# Altium PCB MiniSystem-Pcb-All.PcbDoc (part 5 of 8)
Units mil, origin at the board's own origin, x right, y up, seen from the top; angles counter-clockwise.
Board outline 1732.28 x 669.29 mil, 2 copper layers (Top Layer, Bottom Layer); 690 components, 49 nets, 1630 pads, 330 vias.
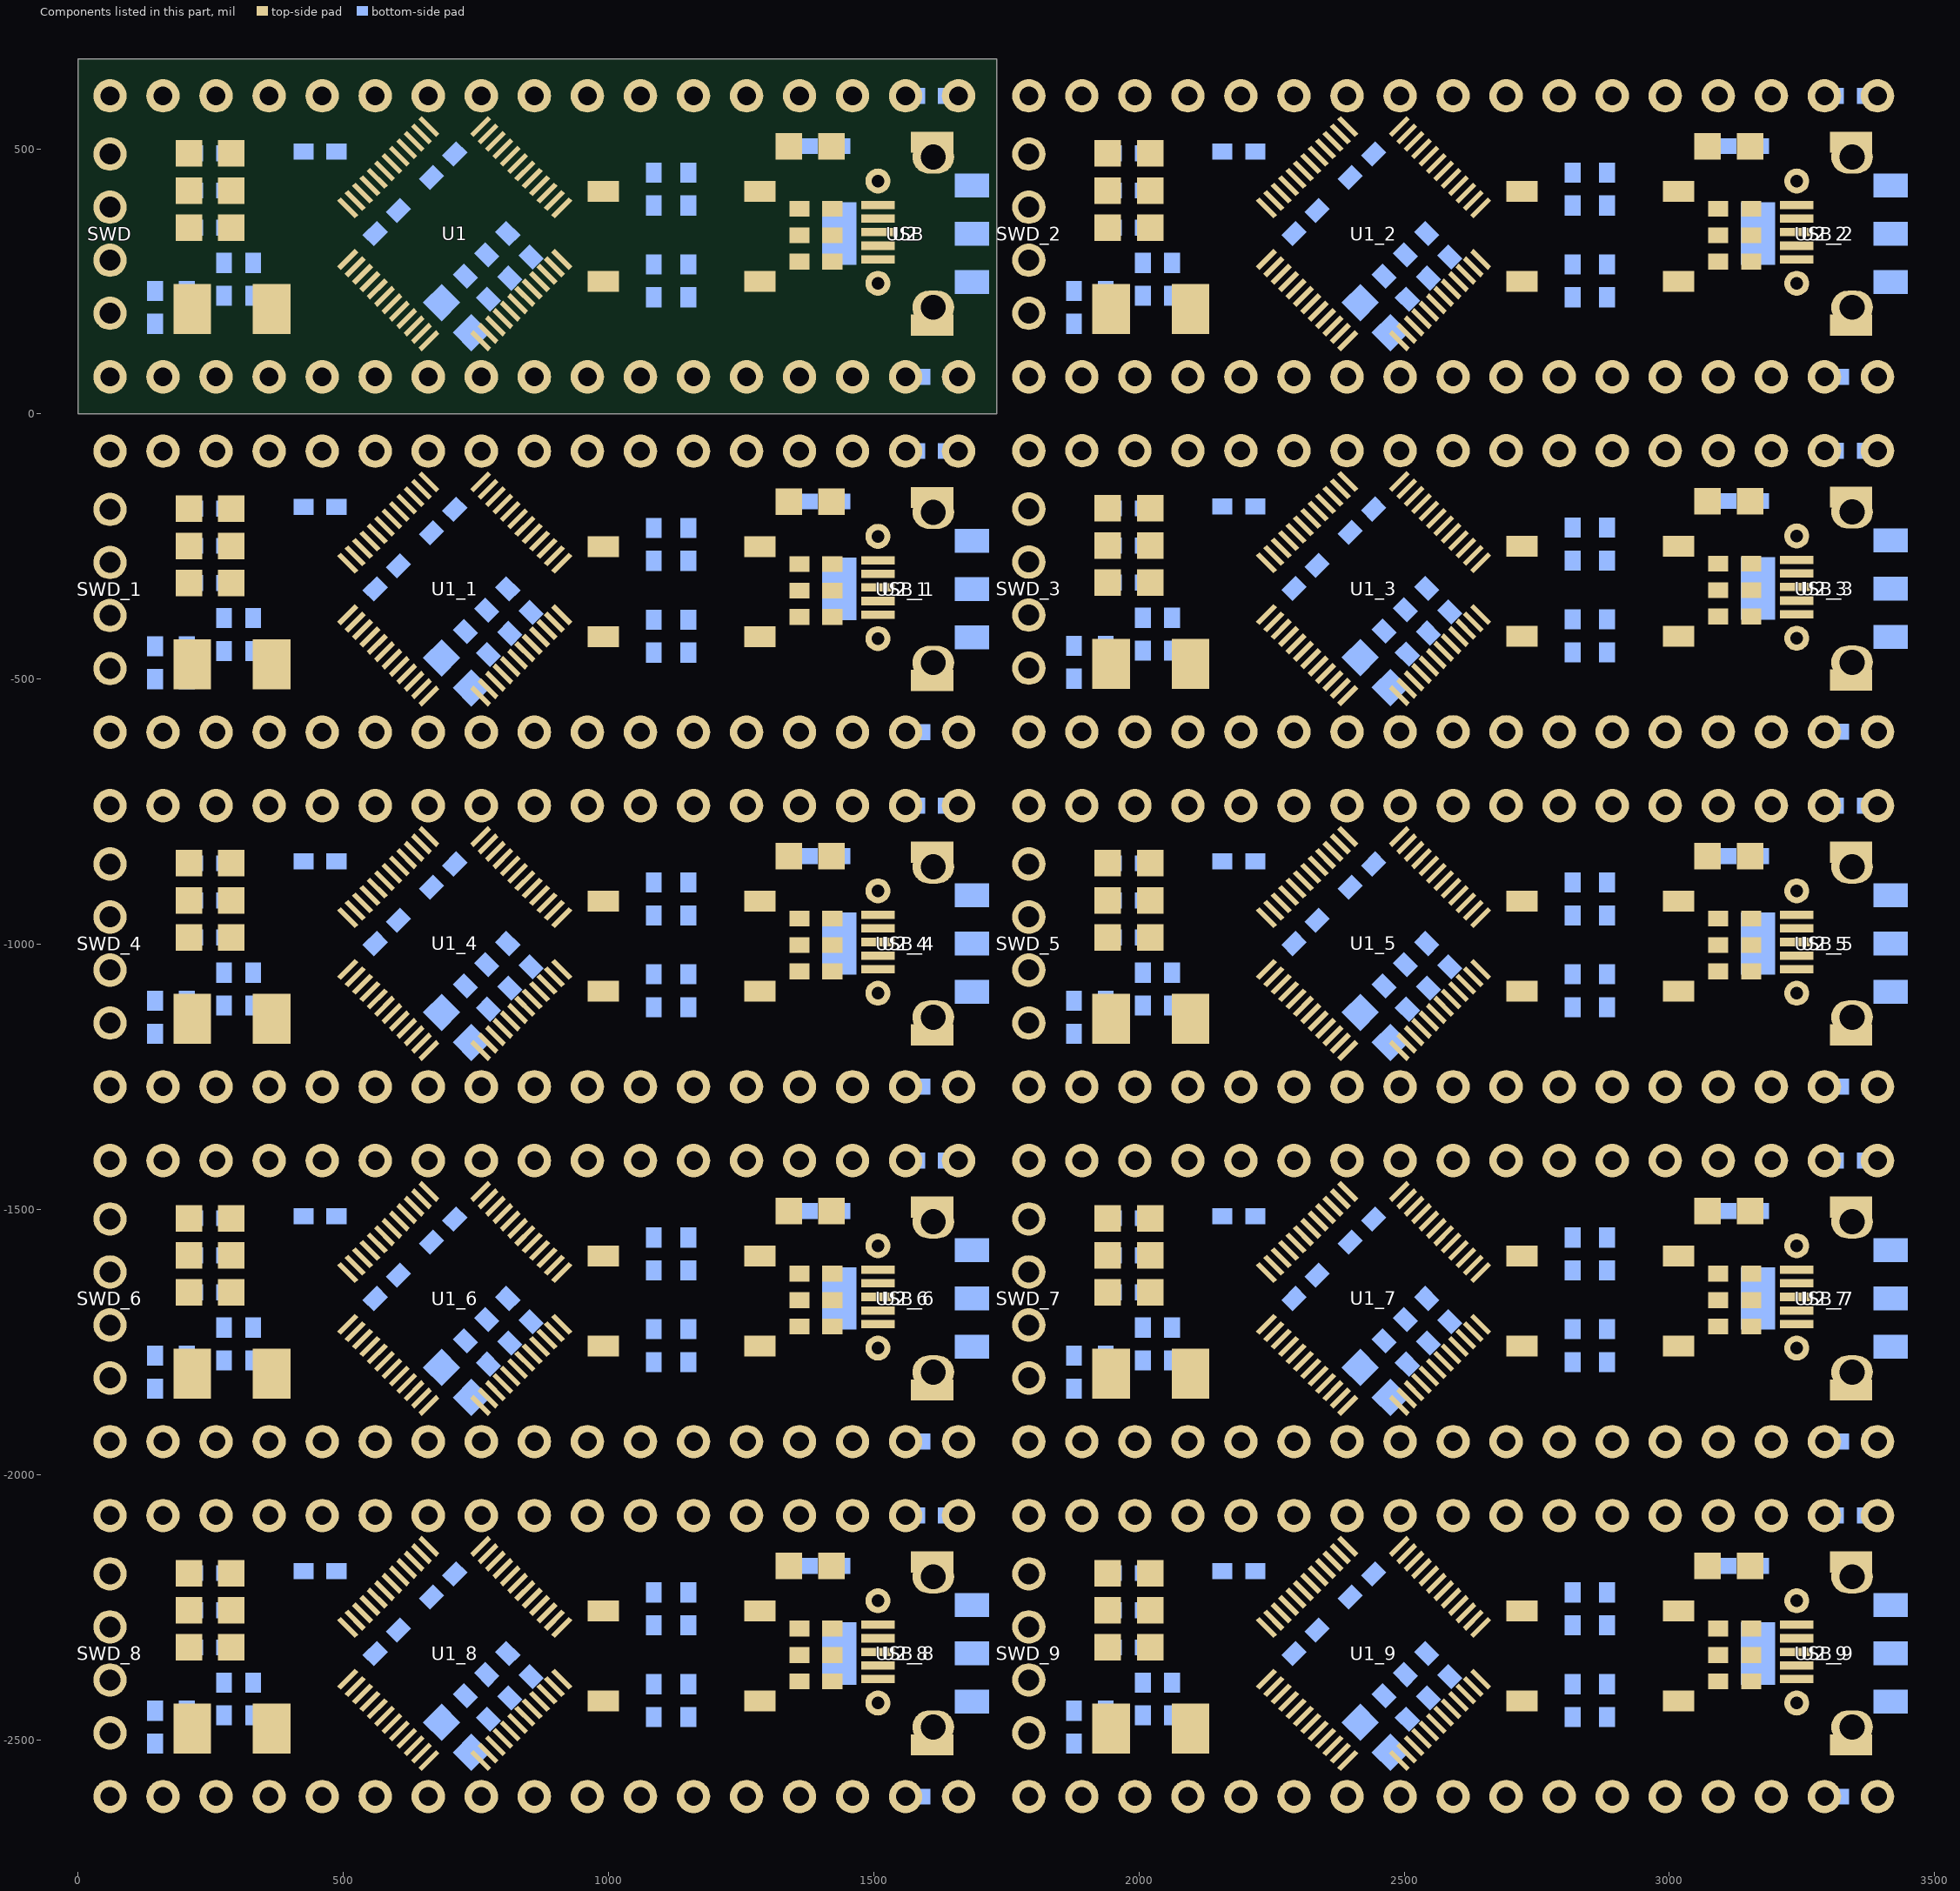
[diagram p5: the components of this part, seen from the top]

## Via types
v1: diameter 24, hole 12, Top Layer to Bottom Layer, 320 vias
v2: diameter 50, hole 30, Top Layer to Bottom Layer, 10 vias

## Nets (pads, with @x,y where several pads share a name; then routed paths per layer and width w, separated by ;. In a path a pad name is that pad's centre, name@x,y a point inside that pad or via, vN(x,y) a via of type N, cw(c..) or ccw(c..) an arc to the next point about the centre after c; other vN are vias at no path point) (continued)
copper on no net: (continued)
  Top Layer w10: 2282.21,-2246.69 2254.69,-2219.17 2118.28,-2219.17 2118.28,-2172.66 2102.28,-2156.66 2084.81,-2156.66 2069.06,-2140.91 2068.54,-2140.91 2058.49,-2130.87 1897.28,-2130.87 1892.28,-2125.87 ; 2282.21,-1577.4 2254.69,-1549.87 2118.28,-1549.87 2118.28,-1503.37 2102.28,-1487.37 2084.81,-1487.37 2069.06,-1471.62 2068.54,-1471.62 2058.49,-1461.57 1897.28,-1461.57 1892.28,-1456.57 ; 2282.21,-908.11 2254.69,-880.58 2118.28,-880.58 2118.28,-834.08 2102.28,-818.08 2084.81,-818.08 2069.06,-802.33 2068.54,-802.33 2058.49,-792.28 1897.28,-792.28 1892.28,-787.28 ; 2282.21,-238.81 2254.69,-211.29 2118.28,-211.29 2118.28,-164.79 2102.28,-148.79 2084.81,-148.79 2069.06,-133.04 2068.54,-133.04 2058.49,-122.99 1897.28,-122.99 1892.28,-117.99 ; 2282.21,430.48 2254.69,458 2118.28,458 2118.28,504.5 2102.28,520.5 2084.81,520.5 2069.06,536.25 2068.54,536.25 2058.49,546.3 1897.28,546.3 1892.28,551.3 ; v1@2285.28,-2337.17 cw(c2268.38,-2337.17) 2280.33,-2349.12 cw(c2292.28,-2361.06) v1@2292.28,-2344.17 ; v1@2285.28,-1667.87 cw(c2268.38,-1667.87) 2280.33,-1679.82 cw(c2292.28,-1691.77) v1@2292.28,-1674.87 ; v1@2285.28,-998.58 cw(c2268.38,-998.58) 2280.33,-1010.53 cw(c2292.28,-1022.48) v1@2292.28,-1005.58 ; v1@2285.28,-329.29 cw(c2268.38,-329.29) 2280.33,-341.24 cw(c2292.28,-353.19) v1@2292.28,-336.29 ; v1@2285.28,340 cw(c2268.38,340) 2280.33,328.05 cw(c2292.28,316.1) v1@2292.28,333 ; 2292.28,-2607.17 2325.4,-2607.17 2393.57,-2539 ; 2292.28,-2077.17 2292.28,-2117.57 ; 2292.28,-1937.87 2325.4,-1937.87 2393.57,-1869.71 ; 2292.28,-1407.87 2292.28,-1448.28 2351.81,-1507.8 ; 2292.28,-1268.58 2325.4,-1268.58 2393.57,-1200.41 ; 2292.28,-738.58 2292.28,-778.98 ; 2292.28,-599.29 2325.4,-599.29 2393.57,-531.12 ; 2292.28,-69.29 2292.28,-109.69 ; 2292.28,70 2325.4,70 2393.57,138.17 ; 2292.28,600 2292.28,559.6 ; v1@2297.23,-2342.12 cw(c2309.18,-2354.06) 2309.18,-2337.17 cw(c2309.18,-2320.27) v1@2297.23,-2332.22 ; v1@2297.23,-1672.82 cw(c2309.18,-1684.77) 2309.18,-1667.87 cw(c2309.18,-1650.97) v1@2297.23,-1662.92 ; v1@2297.23,-1003.53 cw(c2309.18,-1015.48) 2309.18,-998.58 cw(c2309.18,-981.68) v1@2297.23,-993.63 ; v1@2297.23,-334.24 cw(c2309.18,-346.19) 2309.18,-329.29 cw(c2309.18,-312.39) v1@2297.23,-324.34 ; v1@2297.23,335.05 cw(c2309.18,323.1) 2309.18,340 cw(c2309.18,356.9) v1@2297.23,344.95 ; v1@2302.33,-2527.22 ccw(c2290.38,-2515.27) 2307.28,-2515.27 ccw(c2324.18,-2515.27) v1@2312.23,-2527.22 ; v1@2302.33,-1857.92 ccw(c2290.38,-1845.97) 2307.28,-1845.97 ccw(c2324.18,-1845.97) v1@2312.23,-1857.92 ; v1@2302.33,-1188.63 ccw(c2290.38,-1176.68) 2307.28,-1176.68 ccw(c2324.18,-1176.68) v1@2312.23,-1188.63 ; v1@2302.33,-519.34 ccw(c2290.38,-507.39) 2307.28,-507.39 ccw(c2324.18,-507.39) v1@2312.23,-519.34 ; v1@2302.33,149.95 ccw(c2290.38,161.9) 2307.28,161.9 ccw(c2324.18,161.9) v1@2312.23,149.95 ; 2302.84,-2101.47 ccw(c2309.84,-2117.57) 2292.28,-2117.57 ; 2302.84,-762.88 ccw(c2309.84,-778.98) 2292.28,-778.98 ; 2302.84,-93.59 ccw(c2309.84,-109.69) 2292.28,-109.69 ; 2302.84,575.7 ccw(c2309.84,559.6) 2292.28,559.6 ; v1(2307.28,-2532.17) 2307.28,-2513.92 2337.89,-2483.32 ; v1(2307.28,-1862.87) 2307.28,-1844.63 2337.89,-1814.03 ; v1(2307.28,-1193.58) 2307.28,-1175.34 2337.89,-1144.74 ; v1(2307.28,-524.29) 2307.28,-506.05 2337.89,-475.45 ; v1(2307.28,145) 2307.28,163.24 2337.89,193.85 ; 2310.05,-2218.85 2229.86,-2138.66 2137.28,-2138.66 ; 2310.05,-1549.56 2229.86,-1469.37 2137.28,-1469.37 ; 2310.05,-880.27 2229.86,-800.08 2137.28,-800.08 ; 2310.05,-210.98 2229.86,-130.79 2137.28,-130.79 ; 2310.05,458.32 2229.86,538.5 2137.28,538.5 ; 2323.97,-2204.93 2239.7,-2120.66 2135.78,-2120.66 ; 2323.97,-1535.64 2239.7,-1451.37 2135.78,-1451.37 ; 2323.97,-866.35 2239.7,-782.08 2135.78,-782.08 ; 2323.97,-197.06 2239.7,-112.79 2135.78,-112.79 ; 2323.97,472.24 2239.7,556.5 2135.78,556.5 ; 2344.3,-2090.15 cw(c2371.78,-2117.64) 2389.35,-2082.96 ; 2344.3,-1420.86 cw(c2371.78,-1448.34) 2389.35,-1413.67 ; 2344.3,-751.57 cw(c2371.78,-779.05) 2389.35,-744.38 ; 2344.3,-82.28 cw(c2371.78,-109.76) 2389.35,-75.09 ; 2344.3,587.02 cw(c2371.78,559.53) 2389.35,594.21 ; 2351.81,-2497.24 2391.88,-2457.17 2402.28,-2457.17 ; 2351.81,-2177.09 2292.28,-2117.57 ; 2351.81,-1827.95 2391.88,-1787.87 2402.28,-1787.87 ; 2351.81,-1158.66 2391.88,-1118.58 2402.28,-1118.58 ; 2351.81,-838.51 2292.28,-778.98 ; 2351.81,-489.36 2391.88,-449.29 2402.28,-449.29 ; 2351.81,-169.22 2292.28,-109.69 ; 2351.81,179.93 2391.88,220 2402.28,220 ; 2351.81,500.07 2292.28,559.6 ; 2354.06,-2080.39 cw(c2378.34,-2104.68) 2393.87,-2074.04 ; 2354.06,-1411.1 cw(c2378.34,-1435.39) 2393.87,-1404.75 ; 2354.06,-741.81 cw(c2378.34,-766.1) 2393.87,-735.46 ; 2354.06,-72.52 cw(c2378.34,-96.81) 2393.87,-66.17 ; 2354.06,596.77 cw(c2378.34,572.48) 2393.87,603.13 ; v1@2358.64,-2263.81 cw(c2341.74,-2263.81) 2353.69,-2275.76 cw(c2365.64,-2287.71) v1@2365.64,-2270.81 ; v1@2358.64,-1594.52 cw(c2341.74,-1594.52) 2353.69,-1606.47 cw(c2365.64,-1618.42) v1@2365.64,-1601.52 ; v1@2358.64,-925.23 cw(c2341.74,-925.23) 2353.69,-937.18 cw(c2365.64,-949.13) v1@2365.64,-932.23 ; v1@2358.64,-255.94 cw(c2341.74,-255.94) 2353.69,-267.89 cw(c2365.64,-279.84) v1@2365.64,-262.94 ; v1@2358.64,413.36 cw(c2341.74,413.36) 2353.69,401.41 cw(c2365.64,389.46) v1@2365.64,406.36 ; 2365.73,-2511.16 2389.72,-2487.17 2398.34,-2487.17 2413.34,-2502.17 2427.28,-2502.17 2524.83,-2404.62 ; 2365.73,-2163.17 2342.28,-2139.73 2342.28,-2092.17 2357.28,-2077.17 2392.28,-2077.17 ; 2365.73,-1841.87 2389.72,-1817.87 2398.34,-1817.87 2413.34,-1832.87 2427.28,-1832.87 2524.83,-1735.33 ; 2365.73,-1493.88 2342.28,-1470.44 2342.28,-1422.87 2357.28,-1407.87 2392.28,-1407.87 ; 2365.73,-1172.58 2389.72,-1148.58 2398.34,-1148.58 2413.34,-1163.58 2427.28,-1163.58 2524.83,-1066.04 ; 2365.73,-824.59 2342.28,-801.15 2342.28,-753.58 2357.28,-738.58 2392.28,-738.58 ; 2365.73,-503.28 2389.72,-479.29 2398.34,-479.29 2413.34,-494.29 2427.28,-494.29 2524.83,-396.75 ; 2365.73,-155.3 2342.28,-131.85 2342.28,-84.29 2357.28,-69.29 2392.28,-69.29 ; 2365.73,166.01 2389.72,190 2398.34,190 2413.34,175 2427.28,175 2524.83,272.54 ; 2365.73,513.99 2342.28,537.44 2342.28,585 2357.28,600 2392.28,600 ; 2379.65,-2149.25 2407.56,-2177.17 2412.28,-2177.17 2492.28,-2097.17 2492.28,-2077.17 ; 2379.65,-1479.96 2407.56,-1507.87 2412.28,-1507.87 2492.28,-1427.87 2492.28,-1407.87 ; 2379.65,-810.67 2407.56,-838.58 2412.28,-838.58 2492.28,-758.58 2492.28,-738.58 ; 2379.65,-141.38 2407.56,-169.29 2412.28,-169.29 2492.28,-89.29 2492.28,-69.29 ; 2379.65,527.91 2407.56,500 2412.28,500 2492.28,580 2492.28,600 ; 2381.43,-2466.32 2272.28,-2357.17 ; 2381.43,-1797.02 2272.28,-1687.87 ; 2381.43,-1127.73 2272.28,-1018.58 ; 2381.43,-458.44 2272.28,-349.29 ; 2381.43,210.85 2272.28,320 ; 2392.28,-2607.17 2392.28,-2604.05 2474.17,-2522.17 2491,-2539 ; 2392.28,-1937.87 2392.28,-1934.76 2474.17,-1852.87 2491,-1869.71 ; 2392.28,-1268.58 2392.28,-1265.47 2474.17,-1183.58 2491,-1200.41 ; 2392.28,-599.29 2392.28,-596.18 2474.17,-514.29 2491,-531.12 ; 2392.28,70 2392.28,73.11 2474.17,155 2491,138.17 ; 2406.65,-2148.7 cw(c2420.9,-2148.7) 2410.82,-2138.62 ; 2406.65,-1479.4 cw(c2420.9,-1479.4) 2410.82,-1469.33 ; 2406.65,-810.11 cw(c2420.9,-810.11) 2410.82,-800.04 ; 2406.65,-140.82 cw(c2420.9,-140.82) 2410.82,-130.75 ; 2406.65,528.47 cw(c2420.9,528.47) 2410.82,538.54 ; 2406.7,-2148.85 cw(c2410.97,-2145.86) 2407.28,-2142.17 v1(2432.28,-2117.17) ; 2406.7,-1479.56 cw(c2410.97,-1476.56) 2407.28,-1472.87 v1(2432.28,-1447.87) ; 2406.7,-810.27 cw(c2410.97,-807.27) 2407.28,-803.58 v1(2432.28,-778.58) ; 2406.7,-140.98 cw(c2410.97,-137.98) 2407.28,-134.29 v1(2432.28,-109.29) ; 2406.7,528.31 cw(c2410.97,531.31) 2407.28,535 v1(2432.28,560) ; v1@2425.28,-2117.17 cw(c2408.38,-2117.17) 2420.33,-2129.12 cw(c2432.28,-2141.06) v1@2432.28,-2124.17 ; v1@2425.28,-1447.87 cw(c2408.38,-1447.87) 2420.33,-1459.82 cw(c2432.28,-1471.77) v1@2432.28,-1454.87 ; v1@2425.28,-778.58 cw(c2408.38,-778.58) 2420.33,-790.53 cw(c2432.28,-802.48) v1@2432.28,-785.58 ; v1@2425.28,-109.29 cw(c2408.38,-109.29) 2420.33,-121.24 cw(c2432.28,-133.19) v1@2432.28,-116.29 ; v1@2425.28,560 cw(c2408.38,560) 2420.33,548.05 cw(c2432.28,536.1) v1@2432.28,553 ; v1(2437.28,-2267.17) 2482.28,-2222.17 2482.28,-2171.89 2504.92,-2149.25 ; v1@2437.28,-2260.17 ccw(c2437.28,-2243.27) 2449.23,-2255.22 ccw(c2461.18,-2267.17) v1@2444.28,-2267.17 ; v1(2437.28,-1597.87) 2482.28,-1552.87 2482.28,-1502.6 2504.92,-1479.96 ; v1@2437.28,-1590.87 ccw(c2437.28,-1573.97) 2449.23,-1585.92 ccw(c2461.18,-1597.87) v1@2444.28,-1597.87 ; v1(2437.28,-928.58) 2482.28,-883.58 2482.28,-833.31 2504.92,-810.67 ; v1@2437.28,-921.58 ccw(c2437.28,-904.68) 2449.23,-916.63 ccw(c2461.18,-928.58) v1@2444.28,-928.58 ; v1(2437.28,-259.29) 2482.28,-214.29 2482.28,-164.02 2504.92,-141.38 ; v1@2437.28,-252.29 ccw(c2437.28,-235.39) 2449.23,-247.34 ccw(c2461.18,-259.29) v1@2444.28,-259.29 ; v1(2437.28,410) 2482.28,455 2482.28,505.27 2504.92,527.91 ; v1@2437.28,417 ccw(c2437.28,433.9) 2449.23,421.95 ccw(c2461.18,410) v1@2444.28,410 ; v1@2442.28,-2177.05 ccw(c2442.28,-2160.15) 2454.23,-2172.1 ccw(c2466.18,-2184.05) 2449.28,-2184.05 ccw(c2473.7,-2184.05) 2456.43,-2201.32 ; v1@2442.28,-1507.76 ccw(c2442.28,-1490.86) 2454.23,-1502.81 ccw(c2466.18,-1514.76) 2449.28,-1514.76 ccw(c2473.7,-1514.76) 2456.43,-1532.03 ; v1@2442.28,-838.47 ccw(c2442.28,-821.57) 2454.23,-833.52 ccw(c2466.18,-845.47) 2449.28,-845.47 ccw(c2473.7,-845.47) 2456.43,-862.73 ; v1@2442.28,-169.18 ccw(c2442.28,-152.28) 2454.23,-164.23 ccw(c2466.18,-176.18) 2449.28,-176.18 ccw(c2473.7,-176.18) 2456.43,-193.44 ; v1@2442.28,500.11 ccw(c2442.28,517.01) 2454.23,505.06 ccw(c2466.18,493.11) 2449.28,493.11 ccw(c2473.7,493.11) 2456.43,475.85 ; 2466.26,-2530.07 cw(c2477.64,-2541.45) 2477.64,-2525.36 ; 2466.26,-1860.78 cw(c2477.64,-1872.15) 2477.64,-1856.07 ; 2466.26,-1191.49 cw(c2477.64,-1202.86) 2477.64,-1186.78 ; 2466.26,-522.2 cw(c2477.64,-533.57) 2477.64,-517.49 ; 2466.26,147.09 cw(c2477.64,135.72) 2477.64,151.81 ; 2491,-2135.33 v1(2442.28,-2184.05) 2442.28,-2187.17 2462.28,-2207.17 2332.28,-2337.17 v1(2292.28,-2337.17) 2272.28,-2357.17 ; 2491,-1466.04 v1(2442.28,-1514.76) 2442.28,-1517.87 2462.28,-1537.87 2332.28,-1667.87 v1(2292.28,-1667.87) 2272.28,-1687.87 ; 2491,-796.75 v1(2442.28,-845.47) 2442.28,-848.58 2462.28,-868.58 2332.28,-998.58 v1(2292.28,-998.58) 2272.28,-1018.58 ; 2491,-127.46 v1(2442.28,-176.18) 2442.28,-179.29 2462.28,-199.29 2332.28,-329.29 v1(2292.28,-329.29) 2272.28,-349.29 ; 2491,541.83 v1(2442.28,493.11) 2442.28,490 2462.28,470 2332.28,340 v1(2292.28,340) 2272.28,320 ; 2492.28,-2607.17 2507.28,-2607.17 2537.28,-2577.17 ; 2492.28,-1937.87 2507.28,-1937.87 2537.28,-1907.87 2537.28,-1888.15 2504.92,-1855.79 ; 2492.28,-1268.58 2507.28,-1268.58 2537.28,-1238.58 ; 2492.28,-599.29 2507.28,-599.29 2537.28,-569.29 ; 2492.28,70 2507.28,70 2537.28,100 ; 2499.24,-2592.21 ccw(c2509.68,-2569.78) 2527.18,-2587.27 ; 2499.24,-1922.92 ccw(c2509.68,-1900.49) 2527.18,-1917.98 ; 2499.24,-1253.63 ccw(c2509.68,-1231.2) 2527.18,-1248.69 ; 2499.24,-584.34 ccw(c2509.68,-561.91) 2527.18,-579.4 ; 2499.24,84.96 ccw(c2509.68,107.39) 2527.18,89.89 ; 2503.46,-2583.14 ccw(c2516.1,-2555.99) 2537.28,-2577.17 ; 2503.46,-1913.85 ccw(c2516.1,-1886.69) 2537.28,-1907.88 ; 2503.46,-1244.56 ccw(c2516.1,-1217.4) 2537.28,-1238.58 ; 2503.46,-575.27 ccw(c2516.1,-548.11) 2537.28,-569.29 ; 2503.46,94.02 ccw(c2516.1,121.18) 2537.28,100 ; 2504.92,-2525.08 2537.28,-2557.44 2537.28,-2577.17 ; 2504.92,-1186.5 2537.28,-1218.86 2537.28,-1238.58 ; 2504.92,-517.2 2537.28,-549.57 2537.28,-569.29 ; 2504.92,152.09 2537.28,119.72 2537.28,100 ; 2518.78,-2607.17 cw(c2546.53,-2607.17) 2526.91,-2587.54 ; 2518.78,-1937.87 cw(c2546.53,-1937.87) 2526.91,-1918.25 ; 2518.78,-1268.58 cw(c2546.53,-1268.58) 2526.91,-1248.96 ; 2518.78,-599.29 cw(c2546.53,-599.29) 2526.91,-579.67 ; 2518.78,70 cw(c2546.53,70) 2526.91,89.62 ; 2518.84,-2511.16 2592.28,-2584.6 2592.28,-2607.17 ; 2518.84,-1841.87 2592.28,-1915.31 2592.28,-1937.87 ; 2518.84,-1172.58 2592.28,-1246.02 2592.28,-1268.58 ; 2518.84,-503.28 2592.28,-576.73 2592.28,-599.29 ; 2518.84,166.01 2592.28,92.56 2592.28,70 ; 2524.83,-2403.41 2489.28,-2367.86 2489.28,-2330.77 v1@2532.28,-2287.77 ; 2524.83,-1734.12 2489.28,-1698.57 2489.28,-1661.48 v1@2532.28,-1618.48 ; 2524.83,-1064.83 2489.28,-1029.28 2489.28,-992.19 v1@2532.28,-949.19 ; 2524.83,-395.53 2489.28,-359.99 2489.28,-322.89 v1@2532.28,-279.89 ; 2524.83,273.76 2489.28,309.3 2489.28,346.4 v1@2532.28,389.4 ; 2532.76,-2497.24 2592.69,-2557.17 2642.28,-2557.17 2692.28,-2607.17 ; 2532.76,-1827.95 2592.69,-1887.87 2642.28,-1887.87 2692.28,-1937.87 ; 2532.76,-1158.66 2592.69,-1218.58 2642.28,-1218.58 2692.28,-1268.58 ; 2532.76,-489.37 2592.69,-549.29 2642.28,-549.29 2692.28,-599.29 ; 2532.76,179.93 2592.69,120 2642.28,120 2692.28,70 ; v1(2542.28,-2337.17) 2552.28,-2327.17 2585.4,-2327.17 2644.11,-2385.88 ; v1(2542.28,-1667.87) 2552.28,-1657.87 2585.4,-1657.87 2644.11,-1716.59 ; v1(2542.28,-998.58) 2552.28,-988.58 2585.4,-988.58 2644.11,-1047.3 ; v1(2542.28,-329.29) 2552.28,-319.29 2585.4,-319.29 2644.11,-378.01 ; v1(2542.28,340) 2552.28,350 2585.4,350 2644.11,291.28 ; 2546.68,-2483.32 2602.52,-2539.17 2654.28,-2539.17 2677.28,-2562.17 2777.28,-2562.17 2792.28,-2577.17 2792.28,-2607.17 ; 2546.68,-1814.03 2602.52,-1869.87 2654.28,-1869.87 2677.28,-1892.87 2777.28,-1892.87 2792.28,-1907.87 2792.28,-1937.87 ; 2546.68,-1144.74 2602.52,-1200.58 2654.28,-1200.58 2677.28,-1223.58 2777.28,-1223.58 2792.28,-1238.58 2792.28,-1268.58 ; 2546.68,-475.45 2602.52,-531.29 2654.28,-531.29 2677.28,-554.29 2777.28,-554.29 2792.28,-569.29 2792.28,-599.29 ; 2546.68,193.85 2602.52,138 2654.28,138 2677.28,115 2777.28,115 2792.28,100 2792.28,70 ; 2560.6,-2469.4 2612.36,-2521.17 2661.74,-2521.17 2684.74,-2544.17 2790.8,-2544.17 2813.8,-2567.17 2852.28,-2567.17 2892.28,-2607.17 ; 2560.6,-1800.11 2612.36,-1851.87 2661.74,-1851.87 2684.74,-1874.87 2790.8,-1874.87 2813.8,-1897.87 2852.28,-1897.87 2892.28,-1937.87 ; 2560.6,-1130.82 2612.36,-1182.58 2661.74,-1182.58 2684.74,-1205.58 2790.8,-1205.58 2813.8,-1228.58 2852.28,-1228.58 2892.28,-1268.58 ; 2560.6,-461.53 2612.36,-513.29 2661.74,-513.29 2684.74,-536.29 2790.8,-536.29 2813.8,-559.29 2852.28,-559.29 2892.28,-599.29 ; 2560.6,207.76 2612.36,156 2661.74,156 2684.74,133 2790.8,133 2813.8,110 2852.28,110 2892.28,70 ; 2574.52,-2455.48 2622.2,-2503.17 2669.2,-2503.17 2692.2,-2526.17 2798.25,-2526.17 2821.25,-2549.17 2859.74,-2549.17 2872.74,-2562.17 2947.28,-2562.17 2992.28,-2607.17 ; 2574.52,-1786.19 2622.2,-1833.87 2669.2,-1833.87 2692.2,-1856.87 2798.25,-1856.87 2821.25,-1879.87 2859.74,-1879.87 2872.74,-1892.87 2947.28,-1892.87 2992.28,-1937.87 ; 2574.52,-1116.9 2622.2,-1164.58 2669.2,-1164.58 2692.2,-1187.58 2798.25,-1187.58 2821.25,-1210.58 2859.74,-1210.58 2872.74,-1223.58 2947.28,-1223.58 2992.28,-1268.58 ; 2574.52,-447.61 2622.2,-495.29 2669.2,-495.29 2692.2,-518.29 2798.25,-518.29 2821.25,-541.29 2859.74,-541.29 2872.74,-554.29 2947.28,-554.29 2992.28,-599.29 ; 2574.52,221.68 2622.2,174 2669.2,174 2692.2,151 2798.25,151 2821.25,128 2859.74,128 2872.74,115 2947.28,115 2992.28,70 ; v1(2587.28,-2377.17) 2607.56,-2377.17 2630.2,-2399.8 ; v1(2587.28,-1707.87) 2607.56,-1707.87 2630.2,-1730.51 ; v1(2587.28,-1038.58) 2607.56,-1038.58 2630.2,-1061.22 ; v1(2587.28,-369.29) 2607.56,-369.29 2630.2,-391.93 ; v1(2587.28,300) 2607.56,300 2630.2,277.36 ; 2588.44,-2441.56 2507.28,-2360.41 2507.28,-2338.22 2536.34,-2309.17 2592.85,-2309.17 2710.85,-2427.17 2722.28,-2427.17 2787.28,-2427.17 v1(2817.28,-2457.17) ; 2588.44,-1772.27 2507.28,-1691.12 2507.28,-1668.93 2536.34,-1639.87 2592.85,-1639.87 2710.85,-1757.87 2722.28,-1757.87 2787.28,-1757.87 v1(2817.28,-1787.87) ; 2588.44,-1102.98 2507.28,-1021.83 2507.28,-999.64 2536.34,-970.58 2592.85,-970.58 2710.85,-1088.58 2722.28,-1088.58 2787.28,-1088.58 v1(2817.28,-1118.58) ; 2588.44,-433.69 2507.28,-352.53 2507.28,-330.35 2536.34,-301.29 2592.85,-301.29 2710.85,-419.29 2722.28,-419.29 2787.28,-419.29 v1(2817.28,-449.29) ; 2588.44,235.6 2507.28,316.76 2507.28,338.94 2536.34,368 2592.85,368 2710.85,250 2722.28,250 2787.28,250 v1(2817.28,220) ; v1@2592.23,-2382.12 cw(c2604.18,-2394.06) 2604.18,-2377.17 cw(c2604.18,-2360.27) v1@2592.23,-2372.22 ; v1@2592.23,-1712.82 cw(c2604.18,-1724.77) 2604.18,-1707.87 cw(c2604.18,-1690.97) v1@2592.23,-1702.92 ; v1@2592.23,-1043.53 cw(c2604.18,-1055.48) 2604.18,-1038.58 cw(c2604.18,-1021.68) v1@2592.23,-1033.63 ; v1@2592.23,-374.24 cw(c2604.18,-386.19) 2604.18,-369.29 cw(c2604.18,-352.39) v1@2592.23,-364.34 ; v1@2592.23,295.05 cw(c2604.18,283.1) 2604.18,300 cw(c2604.18,316.9) v1@2592.23,304.95 ; 2602.36,-2427.64 2659.88,-2485.17 2676.65,-2485.17 2699.65,-2508.17 2805.71,-2508.17 2828.71,-2531.17 2867.2,-2531.17 2880.2,-2544.17 2954.74,-2544.17 2972.74,-2562.17 3047.28,-2562.17 3092.28,-2607.17 ; 2602.36,-1758.35 2659.88,-1815.87 2676.65,-1815.87 2699.65,-1838.87 2805.71,-1838.87 2828.71,-1861.87 2867.2,-1861.87 2880.2,-1874.87 2954.74,-1874.87 2972.74,-1892.87 3047.28,-1892.87 3092.28,-1937.87 ; 2602.36,-1089.06 2659.88,-1146.58 2676.65,-1146.58 2699.65,-1169.58 2805.71,-1169.58 2828.71,-1192.58 2867.2,-1192.58 2880.2,-1205.58 2954.74,-1205.58 2972.74,-1223.58 3047.28,-1223.58 3092.28,-1268.58 ; 2602.36,-419.77 2659.88,-477.29 2676.65,-477.29 2699.65,-500.29 2805.71,-500.29 2828.71,-523.29 2867.2,-523.29 2880.2,-536.29 2954.74,-536.29 2972.74,-554.29 3047.28,-554.29 3092.28,-599.29 ; 2602.36,249.52 2659.88,192 2676.65,192 2699.65,169 2805.71,169 2828.71,146 2867.2,146 2880.2,133 2954.74,133 2972.74,115 3047.28,115 3092.28,70 ; 2616.28,-2413.72 2669.72,-2467.17 2684.11,-2467.17 2707.11,-2490.17 2813.16,-2490.17 2836.16,-2513.17 2874.65,-2513.17 2887.65,-2526.17 2962.2,-2526.17 2980.2,-2544.17 3129.28,-2544.17 3192.28,-2607.17 ; 2616.28,-1744.43 2669.72,-1797.87 2684.11,-1797.87 2707.11,-1820.87 2813.16,-1820.87 2836.16,-1843.87 2874.65,-1843.87 2887.65,-1856.87 2962.2,-1856.87 2980.2,-1874.87 3129.28,-1874.87 3192.28,-1937.87 ; 2616.28,-1075.14 2669.72,-1128.58 2684.11,-1128.58 2707.11,-1151.58 2813.16,-1151.58 2836.16,-1174.58 2874.65,-1174.58 2887.65,-1187.58 2962.2,-1187.58 2980.2,-1205.58 3129.28,-1205.58 3192.28,-1268.58 ; 2616.28,-405.85 2669.72,-459.29 2684.11,-459.29 2707.11,-482.29 2813.16,-482.29 2836.16,-505.29 2874.65,-505.29 2887.65,-518.29 2962.2,-518.29 2980.2,-536.29 3129.28,-536.29 3192.28,-599.29 ; 2616.28,263.44 2669.72,210 2684.11,210 2707.11,187 2813.16,187 2836.16,164 2874.65,164 2887.65,151 2962.2,151 2980.2,133 3129.28,133 3192.28,70 ; 2742.51,-2437.55 cw(c2767.58,-2462.62) 2767.58,-2427.17 cw(c2767.58,-2391.71) 2742.51,-2416.78 ; 2742.51,-1768.26 cw(c2767.58,-1793.33) 2767.58,-1757.87 cw(c2767.58,-1722.42) 2742.51,-1747.49 ; 2742.51,-1098.97 cw(c2767.58,-1124.04) 2767.58,-1088.58 cw(c2767.58,-1053.13) 2742.51,-1078.2 ; 2742.51,-429.68 cw(c2767.58,-454.74) 2767.58,-419.29 cw(c2767.58,-383.84) 2742.51,-408.91 ; 2742.51,239.62 cw(c2767.58,214.55) 2767.58,250 cw(c2767.58,285.45) 2742.51,260.38 ; v1(2772.28,-2282.17) v1@2928.28,-2282.17 ; v1(2772.28,-1612.87) v1@2928.28,-1612.87 ; v1(2772.28,-943.58) v1@2928.28,-943.58 ; v1(2772.28,-274.29) v1@2928.28,-274.29 ; v1(2772.28,395) v1@2928.28,395 ; v1@2777.23,-2287.12 cw(c2789.18,-2299.06) 2789.18,-2282.17 cw(c2789.18,-2265.27) v1@2777.23,-2277.22 ; v1@2777.23,-1617.82 cw(c2789.18,-1629.77) 2789.18,-1612.87 cw(c2789.18,-1595.97) v1@2777.23,-1607.92 ; v1@2777.23,-948.53 cw(c2789.18,-960.48) 2789.18,-943.58 cw(c2789.18,-926.68) v1@2777.23,-938.63 ; v1@2777.23,-279.24 cw(c2789.18,-291.19) 2789.18,-274.29 cw(c2789.18,-257.39) v1@2777.23,-269.34 ; v1@2777.23,390.05 cw(c2789.18,378.1) 2789.18,395 cw(c2789.18,411.9) v1@2777.23,399.95 ; 2781.15,-2566.03 cw(c2758.52,-2588.66) 2786.59,-2604.04 ; 2781.15,-1896.74 cw(c2758.52,-1919.37) 2786.59,-1934.75 ; 2781.15,-1227.45 cw(c2758.52,-1250.08) 2786.59,-1265.46 ; 2781.15,-558.16 cw(c2758.52,-580.79) 2786.59,-596.17 ; 2781.15,111.13 cw(c2758.52,88.5) 2786.59,73.12 ; 2790.58,-2575.46 cw(c2770.7,-2595.34) 2795.36,-2608.85 ; 2790.58,-1906.17 cw(c2770.7,-1926.05) 